# KiCad board thunderbolt-adapter.kicad_pcb
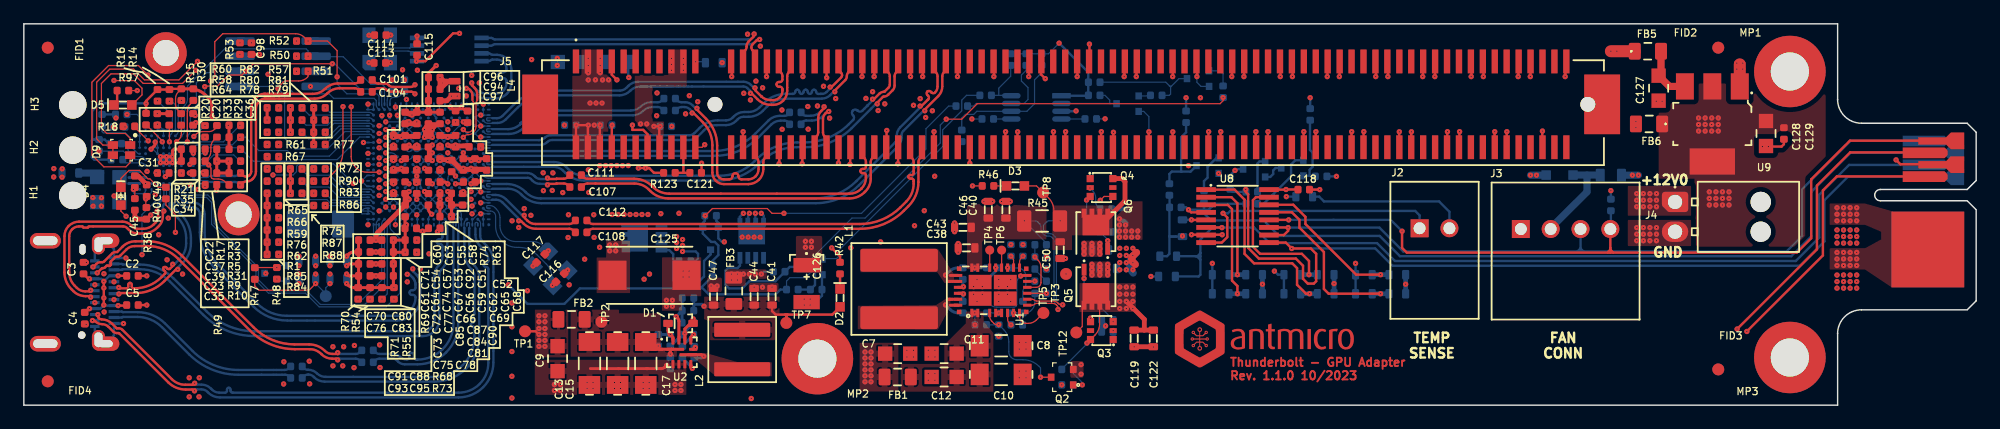
[diagram p0: board, top side]
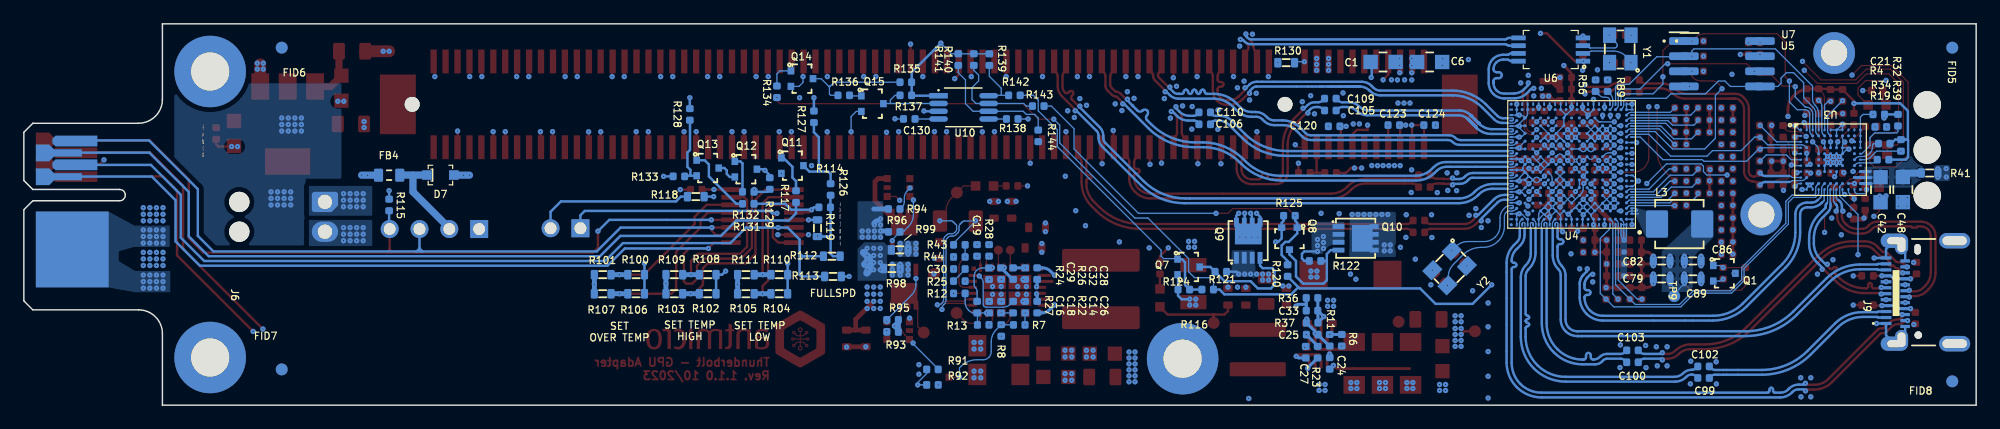
[diagram p1: board, bottom side, seen from below]

Outline 163.61 x 32 mm; copper layers: Top, In1.Cu, In2.Cu, In3.Cu, In4.Cu, Bottom. Coordinates in mm from the lower left corner of the outline.
Outline path: 152,25.66 152,32 0,32 0,0 152,0 152,6
Stack: Top 0.035mm / dielectric 0.12mm PR2116 er 4.12 / In1.Cu 0.018mm / dielectric 0.51mm FR4-Improved er 4.12 / In2.Cu 0.018mm / dielectric 0.14mm PR1080 er 4.12 / In3.Cu 0.018mm / dielectric 0.51mm FR4-Improved er 4.12 / In4.Cu 0.018mm / dielectric 0.12mm PR2116 er 4.12 / Bottom 0.035mm

## Placement (name value [footprint] x y rotation side)
C1  C_10u_0805_35V  [C_0805_2012Metric]  49.7 28.8 180 bottom
C2  C_100n_0402  [C_0402_1005Metric]  9.1 10.85 180 top
C3  C_100n_0402  [C_0402_1005Metric]  5 11.5 270 top
C4  C_100n_0402  [C_0402_1005Metric]  5.1 7.3 90 top
C5  C_100n_0402  [C_0402_1005Metric]  9.1 8.4 180 top
C6  C_10u_0805_35V  [C_0805_2012Metric]  45.8 28.8 0 bottom
C7  C_10u_0805_35V  [C_0805_2012Metric]  73.23 4.32 180 top
C8  C_22u_1206_35V  [C_1206_3216Metric]  81.9 4.99 180 top
C9  C_10u_0805_35V  [C_0805_2012Metric]  44.73 3.9 90 top
C10  C_22u_1206_35V  [C_1206_3216Metric]  81.9 2.58 180 top
C11  C_10u_0805_35V  [C_0805_2012Metric]  77.12 4.33 0 top
C12  C_10u_0805_35V  [C_0805_2012Metric]  77.12 2.37 0 top
C13  C_22u_1206_35V  [C_1206_3216Metric]  47.4 3.5 90 top
C14  C_100n_0402  [C_0402_1005Metric]  79.69 8.23 270 bottom
C15  C_22u_1206_35V  [C_1206_3216Metric]  49.76 3.5 90 top
C16  C_220n_0402  [C_0402_1005Metric]  82.71 8.23 270 bottom
C17  C_22u_1206_35V  [C_1206_3216Metric]  52.12 3.5 90 top
C18  C_1u_0402  [C_0402_1005Metric]  81.71 8.23 270 bottom
C19  C_22n_0402  [C_0402_1005Metric]  83.73 12.99 270 bottom
C20  C_4u7_25V_0402  [C_0402_1005Metric]  11.18 23.98 270 top
C21  C_4u7_25V_0402  [C_0402_1005Metric]  8.16 24.4 0 bottom
C22  C_1u_0402  [C_0402_1005Metric]  15.18 22.98 270 top
C23  C_10u_0402  [C_0402_1005Metric]  15.68 19.48 180 top
C24  C_100n_0402  [C_0402_1005Metric]  54.17 3.51 90 bottom
C25  C_1u_0402  [C_0402_1005Metric]  55.64 5.92 0 bottom
C26  C_100n_0402  [C_0402_1005Metric]  78.69 8.23 270 bottom
C27  C_220n_0402  [C_0402_1005Metric]  56.18 4.45 270 bottom
C28  C_100n_0402  [C_0402_1005Metric]  78.69 11.04 90 bottom
C29  C_100n_0402  [C_0402_1005Metric]  81.71 11.04 270 bottom
C30  C_4n7_0402  [C_0402_1005Metric]  85.21 11.43 0 bottom
C31  C_220n_0402  [C_0402_1005Metric]  11.68 19.48 0 top
C32  C_100n_0402  [C_0402_1005Metric]  79.69 11.04 90 bottom
C33  C_33p_0402  [C_0402_1005Metric]  55.65 7.93 0 bottom
C34  C_1u_0402  [C_0402_1005Metric]  13.68 19.48 180 top
C35  C_2u2_0402  [C_0402_1005Metric]  15.68 18.49 0 top
C36  C_2u2_0402  [C_0402_1005Metric]  14.18 23.98 90 top
C37  C_2u2_0402  [C_0402_1005Metric]  15.68 21.48 0 top
C38  C_22u_16V_0603  [C_0603_1608Metric]  79 13.2 0 top
C39  C_10u_0402  [C_0402_1005Metric]  15.68 20.48 0 top
C40  C_22u_16V_0603  [C_0603_1608Metric]  82.3 16.4 270 top
C41  C_22u_0603  [C_0603_1608Metric]  62.7 9.1 270 top
C42  C_22u_25V_0805  [C_0805_2012Metric]  8.01 18.08 90 bottom
C43  C_22u_16V_0603  [C_0603_1608Metric]  78.7 14.92 0 top
C44  C_22u_0603  [C_0603_1608Metric]  61.2 9.1 270 top
C45  C_220p_0402  [C_0402_1005Metric]  9.3 18.75 270 top
C46  C_22u_16V_0603  [C_0603_1608Metric]  80.82 16.4 270 top
C47  C_22u_0603  [C_0603_1608Metric]  57.8 9.1 270 top
C48  C_22u_25V_0805  [C_0805_2012Metric]  6.14 18.09 90 bottom
C49  C_220p_0402  [C_0402_1005Metric]  10.29 18 270 top
C50  C_22u_16V_0603  [C_0603_1608Metric]  86.85 13.01 90 top
C51  C_1u_0402  [C_0402_1005Metric]  36.18 22.15 270 top
C52  C_1u_0402  [C_0402_1005Metric]  37.8 21.68 180 top
C53  C_1u_0402  [C_0402_1005Metric]  33.9 22.15 90 top
C54  C_1u_0402  [C_0402_1005Metric]  31.95 22.15 270 top
C55  C_1u_0402  [C_0402_1005Metric]  33.9 24.1 270 top
C56  C_1u_0402  [C_0402_1005Metric]  34.88 20.2 90 top
C57  C_1u_0402  [C_0402_1005Metric]  32.93 22.15 270 top
C58  C_1u_0402  [C_0402_1005Metric]  34.88 24.1 270 top
C59  C_1u_0402  [C_0402_1005Metric]  35.85 20.08 90 top
C60  C_1u_0402  [C_0402_1005Metric]  31.95 24.1 270 top
C61  C_1u_0402  [C_0402_1005Metric]  30.98 20.2 270 top
C62  C_1u_0402  [C_0402_1005Metric]  36.83 20.2 270 top
C63  C_1u_0402  [C_0402_1005Metric]  32.93 24.1 270 top
C64  C_1u_0402  [C_0402_1005Metric]  31.95 20.2 270 top
C65  C_1u_0402  [C_0402_1005Metric]  37.8 20.2 270 top
C66  C_1u_0402  [C_0402_1005Metric]  34.4 18.73 0 top
C67  C_1u_0402  [C_0402_1005Metric]  33.9 20.2 270 top
C68  C_1u_0402  [C_0402_1005Metric]  38.78 20.2 270 top
C69  C_1u_0402  [C_0402_1005Metric]  37.33 18.73 180 top
C70  C_10u_0402  [C_0402_1005Metric]  28.53 11.85 0 top
C71  C_1u_0402  [C_0402_1005Metric]  30.98 22.15 270 top
C72  C_1u_0402  [C_0402_1005Metric]  31.95 18.25 270 top
C73  C_1u_0402  [C_0402_1005Metric]  31.95 16.3 90 top
C74  C_1u_0402  [C_0402_1005Metric]  32.93 20.2 270 top
C75  C_10u_0402  [C_0402_1005Metric]  32.42 14.84 0 top
C76  C_10u_0402  [C_0402_1005Metric]  28.53 10.85 0 top
C77  C_1u_0402  [C_0402_1005Metric]  32.93 18.25 90 top
C78  C_10u_0402  [C_0402_1005Metric]  34.39 14.84 180 top
C79  C_22u_0603  [C_0603_1608Metric]  26.35 10.6 180 bottom
C80  C_10u_0402  [C_0402_1005Metric]  30.48 11.85 180 top
C81  C_1u_0402  [C_0402_1005Metric]  35.35 15.83 180 top
C82  C_22u_0603  [C_0603_1608Metric]  26.35 12.1 180 bottom
C83  C_10u_0402  [C_0402_1005Metric]  30.48 10.85 180 top
C84  C_1u_0402  [C_0402_1005Metric]  35.35 16.8 180 top
C85  C_1u_0402  [C_0402_1005Metric]  33.9 17.28 90 top
C86  C_22u_0603  [C_0603_1608Metric]  23.75 12.1 0 bottom
C87  C_1u_0402  [C_0402_1005Metric]  35.35 17.78 180 top
C88  C_100n_0402  [C_0402_1005Metric]  30.48 13.85 180 top
C89  C_22u_0603  [C_0603_1608Metric]  23.75 10.6 0 bottom
C90  C_1u_0402  [C_0402_1005Metric]  36.78 17.28 90 top
C91  C_100n_0402  [C_0402_1005Metric]  28.53 13.85 0 top
C92  C_100n_0402  [C_0402_1005Metric]  34.88 22.15 270 top
C93  C_100n_0402  [C_0402_1005Metric]  28.53 12.85 0 top
C94  C_1u_0402  [C_0402_1005Metric]  34.39 26.52 0 top
C95  C_100n_0402  [C_0402_1005Metric]  30.48 12.85 180 top
C96  C_10u_0402  [C_0402_1005Metric]  34.39 27.5 0 top
C97  C_100n_0402  [C_0402_1005Metric]  34.39 25.54 0 top
C98  C_100n_0402  [C_0402_1005Metric]  19.07 29.92 90 top
C99  C_220n_0402  [C_0402_1005Metric]  22.84 2.28 0 bottom
C100  C_220n_0402  [C_0402_1005Metric]  28.8 4.6 0 bottom
C101  C_100n_0402  [C_0402_1005Metric]  28.71 27.29 0 top
C102  C_220n_0402  [C_0402_1005Metric]  22.84 3.25 0 bottom
C103  C_220n_0402  [C_0402_1005Metric]  28.8 3.6 0 bottom
C104  C_100n_0402  [C_0402_1005Metric]  28.71 26.29 0 top
C105  C_220n_0402  [C_0402_1005Metric]  54.12 24.73 0 bottom
C106  C_220n_0402  [C_0402_1005Metric]  64.65 23.57 0 bottom
C107  C_220n_0402  [C_0402_1005Metric]  46.24 18.3 0 top
C108  C_220n_0402  [C_0402_1005Metric]  46.7 14.5 0 top
C109  C_220n_0402  [C_0402_1005Metric]  54.12 25.73 0 bottom
C110  C_220n_0402  [C_0402_1005Metric]  64.65 24.57 0 bottom
C111  C_220n_0402  [C_0402_1005Metric]  46.24 19.3 0 top
C112  C_220n_0402  [C_0402_1005Metric]  46.7 15.5 0 top
C113  C_10p_0402  [C_0402_1005Metric]  29.83 28.72 180 top
C114  C_10p_0402  [C_0402_1005Metric]  29.87 31.05 0 top
C115  C_100n_0402  [C_0402_1005Metric]  32.95 29.84 270 top
C116  C_10p_0402  [C_0402_1005Metric]  44.94 10.69 45 top
C117  C_10p_0402  [C_0402_1005Metric]  43.31 12.32 225 top
C118  C_100n_0402  [C_0402_1005Metric]  107.26 18.09 180 top
C119  C_22u_16V_0603  [C_0603_1608Metric]  93.05 5.6 90 top
C120  C_100n_0402  [C_0402_1005Metric]  53.8 23.4 180 bottom
C121  C_100n_0402  [C_0402_1005Metric]  56.3 19.5 180 top
C122  C_22u_16V_0603  [C_0603_1608Metric]  94.65 5.6 90 top
C123  C_100n_0402  [C_0402_1005Metric]  48.8 23.5 180 bottom
C124  C_100n_0402  [C_0402_1005Metric]  45.8 23.5 0 bottom
C125  C_220u_KEMET_E  [KEMET_E]  52.43 10.9 0 top
C126  C_330u_KEMET_B  [KEMET_B]  65.6 10.2 270 top
C127  C_10u_0805_35V  [C_0805_2012Metric]  137 26.6 90 top
C128  C_10u_0805_35V  [C_0805_2012Metric]  146 22.8 90 top
C129  C_100n_0402  [C_0402_1005Metric]  147.5 22.8 90 top
C130  C_10n_0402  [C_0402_1005Metric]  89.41 24.02 180 bottom
D1  MM3Z3V3C  [D_SOD-323F]  55.03 6.86 0 top
D2  LED_G_0603_KP-1608CGCK  [LED_0603_1608Metric_G]  68.4 9 90 top
D3  LED_G_0603_KP-1608CGCK  [LED_0603_1608Metric_G]  83.1 18.4 180 top
D4  LED_G_0603_KP-1608CGCK  [LED_0603_1608Metric_G]  8.13 17.54 90 top
D5  LED_G_0603_KP-1608CGCK  [LED_0603_1608Metric_G]  8.3 25.19 180 top
D7  1N4148WS-7-F  [SOD-323]  128.7 19.31 180 bottom
D9  LED_RGB_0606_150066M153000  [LED_Dual0603]  8.19 21.4 270 top
FB1  BLM21SN300SZ1D  [FB_0805_2012Metric]  73.23 2.36 0 top
FB2  BLM21SN300SZ1D  [FB_0805_2012Metric]  45.9 7.2 0 top
FB3  BLM21SN300SZ1D  [FB_0805_2012Metric]  59.5 9.6 90 top
FB4  FB_120Z_3A_0603  [FB_0603_1608Metric]  133 19.3 0 bottom
FB5  BLM21SN300SZ1D  [FB_0805_2012Metric]  136.1 29.7 0 top
FB6  BLM21SN300SZ1D  [FB_0805_2012Metric]  136.2 23.6 180 top
FID1  antmicro_Fiducial_1mm_Mask3mm  [Fiducial_1mm_Mask3mm]  2 30 90 top
FID2  antmicro_Fiducial_1mm_Mask3mm  [Fiducial_1mm_Mask3mm]  142 30 180 top
FID3  antmicro_Fiducial_1mm_Mask3mm  [Fiducial_1mm_Mask3mm]  142 3 0 top
FID4  antmicro_Fiducial_1mm_Mask3mm  [Fiducial_1mm_Mask3mm]  2 2 180 top
FID5  antmicro_Fiducial_1mm_Mask3mm  [Fiducial_1mm_Mask3mm]  2 30 270 bottom
FID6  antmicro_Fiducial_1mm_Mask3mm  [Fiducial_1mm_Mask3mm]  142 30 180 bottom
FID7  antmicro_Fiducial_1mm_Mask3mm  [Fiducial_1mm_Mask3mm]  142 3 180 bottom
FID8  antmicro_Fiducial_1mm_Mask3mm  [Fiducial_1mm_Mask3mm]  2 2 180 bottom
G***  LOGO  [antmicro-logo_scaled_15mm]  104.41 5.48 0 top
H1  -  [Mech_Lightpipe_Mentor_1271.1001]  4.1 17.6 90 top
H2  -  [Mech_Lightpipe_Mentor_1271.1001]  4.1 21.4 90 top
H3  -  [Mech_Lightpipe_Mentor_1271.1001]  4.1 25.2 90 top
J2  -  [PinHeader_1x2_P2.5mm_Drill1mm_Horizontal_Shrouded]  116.97 14.84 0 top
J3  -  [PinHeader_1x4_P2.5mm_Drill1mm_Horizontal_Shrouded]  125.46 14.78 0 top
J4  -  [Conn_Molex_NanoFit_1053131202]  138.38 17.05 0 top
J5  PCIe_x16_10146070-113Y0LF-vertical  [AMPHENOL_10146070-113Y0LF]  87.77 24.74 0 top
J6  -  [Edge_Conn_1-2212115-4]  152 16 90 bottom
J9  USB-C_DX07S024JJ2  [USB-3.1-Gen2_Type-C_JAE_DX07S024JJ2_Horizontal]  3.73 9.48 90 bottom
L1  L_6u8_12.8A_Coilcraft-XAL7070  [L_Coilcraft-XAL7070]  73.35 9.75 90 top
L2  L_2u2_9.7A_Coilcraft-XAL5030  [L_Coilcraft-XAL5030]  60.2 4.67 90 top
L3  L_680n_7.6A_IHLP1616BZ  [L_Vishay-IHLP1616BZ]  24.85 15.2 180 bottom
L4  L_1u_1.8A_0603  [L_0603_1608Metric]  36.09 26.56 270 top
MP1  PCB_Mount_Hole_3mm_6mm_pad  [mounting-hole-3.2mm]  148 28 0 top
MP2  PCB_Mount_Hole_3mm_6mm_pad  [mounting-hole-3.2mm]  66.5 3.9 0 top
MP3  PCB_Mount_Hole_3mm_6mm_pad  [mounting-hole-3.2mm]  148 4 0 top
MP4  PCB_Mount_Hole_2.2_3.5  [mounting-hole-2.2mm_pad_3.5mm]  18 16 0 top
MP5  PCB_Mount_Hole_2.2_3.5  [mounting-hole-2.2mm_pad_3.5mm#2]  11.15 29 0 top
Q1  BC817-25W  [SOT-323]  21.1 11.06 180 bottom
Q2  BC817-25W  [SOT-323]  87.02 2.35 180 top
Q3  DZDH0401DW  [SOT-363]  90.34 6.26 180 top
Q4  DZDH0401DW  [SOT-363]  90.31 18.26 0 top
Q5  SI7613DN-T1-GE3  [Vishay_PowerPAK_1212-8_Single]  89.84 9.94 270 top
Q6  SI7613DN-T1-GE3  [Vishay_PowerPAK_1212-8_Single]  89.84 14.56 90 top
Q7  BC817-25W  [SOT-323]  66 11.6 180 bottom
Q8  BC817-25W  [SOT-323]  57.55 13.97 270 bottom
Q9  SI7613DN-T1-GE3  [Vishay_PowerPAK_1212-8_Single]  61 13.8 90 bottom
Q10  SI7613DN-T1-GE3  [Vishay_PowerPAK_1212-8_Single]  52 14 180 bottom
Q11  BC817-25W  [SOT-323]  99.2 20.1 180 bottom
Q12  BC817-25W  [SOT-323]  103.1 19.8 180 bottom
Q13  BC817-25W  [SOT-323]  106.3 19.9 180 bottom
Q14  BC817-25W  [SOT-323]  98.4 27.4 180 bottom
Q15  BC817-25W  [SOT-323]  92.5 25.3 180 bottom
R1  R_3k3_0402  [R_0402_1005Metric]  20.87 14.7 0 top
R2  R_10k_0402  [R_0402_1005Metric]  17.68 23.48 180 top
R3  R_2k2_0402  [R_0402_1005Metric]  17.68 22.48 180 top
R4  R_100k_0402  [R_0402_1005Metric]  7.99 23.35 0 bottom
R5  R_2k2_0402  [R_0402_1005Metric]  17.68 21.48 180 top
R6  R_10k_0402  [R_0402_1005Metric]  53.16 5.45 270 bottom
R7  R_24k_0402  [R_0402_1005Metric]  80.19 6.74 180 bottom
R8  R_10k_0402  [R_0402_1005Metric]  81.7 6.27 90 bottom
R9  R_100k_0402  [R_0402_1005Metric]  17.68 19.48 0 top
R10  R_100k_0402  [R_0402_1005Metric]  17.68 18.48 0 top
R11  R_10k_0402  [R_0402_1005Metric]  54.17 5.45 90 bottom
R12  R_0R_0402  [R_0402_1005Metric]  85.21 9.38 0 bottom
R13  R_0R_0402  [R_0402_1005Metric]  83.21 6.74 180 bottom
R14  R_3k3_0402  [R_0402_1005Metric]  12.2 26 270 top
R15  R_3k3_0402  [R_0402_1005Metric]  13.2 26.06 270 top
R16  R_10k_0402  [R_0402_1005Metric]  11.2 26 270 top
R17  R_10k_0402  [R_0402_1005Metric]  16.18 22.98 90 top
R18  R_0R_0402  [R_0402_1005Metric]  8.8 23.4 0 top
R19  R_10k_0402  [R_0402_1005Metric]  7.8 20.6 0 bottom
R20  R_10k_0402  [R_0402_1005Metric]  10.24 24 270 top
R21  R_1M_0402  [R_0402_1005Metric]  13.68 21.48 0 top
R22  R_100k_0402  [R_0402_1005Metric]  80.7 8.23 270 bottom
R23  R_100k_0402  [R_0402_1005Metric]  55.18 4.45 90 bottom
R24  R_100k_0402  [R_0402_1005Metric]  82.72 11.03 90 bottom
R25  R_12k_0402  [R_0402_1005Metric]  85.21 10.41 0 bottom
R26  R_0R_0402  [R_0402_1005Metric]  80.7 11.04 90 bottom
R27  R_0R_0402  [R_0402_1005Metric]  83.72 8.23 270 bottom
R28  R_124k_0402  [R_0402_1005Metric]  82.72 12.99 90 bottom
R29  R_100k_0402  [R_0402_1005Metric]  13.18 23.98 90 top
R30  R_100k_0402  [R_0402_1005Metric]  14.2 26.06 90 top
R31  R_0R_0402  [R_0402_1005Metric]  17.68 20.48 180 top
R32  R_10k_0402  [R_0402_1005Metric]  6.55 23.92 90 bottom
R33  R_100k_0402  [R_0402_1005Metric]  12.18 23.98 90 top
R34  R_100k_0402  [R_0402_1005Metric]  7.7 21.95 180 bottom
R35  R_15k_0.1%_0402  [R_0402_1005Metric]  13.68 20.48 180 top
R36  R_40k2_0402  [R_0402_1005Metric]  55.65 9 0 bottom
R37  R_8k87_0402  [R_0402_1005Metric]  55.64 6.92 180 bottom
R38  R_5k1_0402  [R_0402_1005Metric]  9.3 16.85 90 top
R39  R_10k_0402  [R_0402_1005Metric]  6.3 21.8 90 bottom
R40  R_5k1_0402  [R_0402_1005Metric]  10.27 16.1 90 top
R41  R_0R_0603  [R_0603_1608Metric]  3.9 19.48 180 bottom
R42  R_330R_0402  [R_0402_1005Metric]  68.4 11.5 270 top
R43  R_110k_0402  [R_0402_1005Metric]  85.21 13.46 0 bottom
R44  R_10k_0402  [R_0402_1005Metric]  85.21 12.44 180 bottom
R45  R_0R02_1206  [R_1206_3216Metric]  85.34 15.45 0 top
R46  R_2k2_0402  [R_0402_1005Metric]  80.8 18.4 0 top
R47  R_1k_0402  [R_0402_1005Metric]  19.35 11.05 90 top
R48  R_100k_0402  [R_0402_1005Metric]  21.2 11.06 90 top
R49  R_330R_0402  [R_0402_1005Metric]  11.9 17.8 90 top
R50  R_3k3_0402  [R_0402_1005Metric]  23.34 29.28 180 top
R51  R_3k3_0402  [R_0402_1005Metric]  23.34 28.02 180 top
R52  R_3k3_0402  [R_0402_1005Metric]  23.34 30.56 180 top
R53  R_3k3_0402  [R_0402_1005Metric]  18.11 29.92 270 top
R54  R_1M_0402  [R_0402_1005Metric]  29.01 9.38 270 top
R55  R_1M_0402  [R_0402_1005Metric]  31.01 9.38 270 top
R56  R_10k_0402  [R_0402_1005Metric]  31.89 26.81 270 bottom
R57  R_100k_0402  [R_0402_1005Metric]  24.77 24.95 0 top
R58  R_2k2_0402  [R_0402_1005Metric]  20.87 23.93 0 top
R59  R_2k2_0402  [R_0402_1005Metric]  20.87 17.78 0 top
R60  R_100k_0402  [R_0402_1005Metric]  20.87 24.95 0 top
R61  R_2k2_0402  [R_0402_1005Metric]  20.87 21.88 0 top
R62  R_2k2_0402  [R_0402_1005Metric]  20.87 15.73 0 top
R63  R_14k_0402  [R_0402_1005Metric]  37.18 24.2 270 top
R64  R_10k_0402  [R_0402_1005Metric]  20.87 22.9 0 top
R65  R_10k_0402  [R_0402_1005Metric]  20.87 19.83 0 top
R66  R_10k_0402  [R_0402_1005Metric]  20.87 18.8 0 top
R67  R_10k_0402  [R_0402_1005Metric]  20.87 20.85 0 top
R68  R_499R_0402  [R_0402_1005Metric]  32.44 13.85 0 top
R69  R_4k75_0.5%_0402  [R_0402_1005Metric]  30.98 18.25 270 top
R70  R_1M_0402  [R_0402_1005Metric]  28.01 9.38 90 top
R71  R_1M_0402  [R_0402_1005Metric]  30.01 9.38 90 top
R72  R_100k_0402  [R_0402_1005Metric]  24.77 19.83 180 top
R73  R_499R_0402  [R_0402_1005Metric]  32.44 12.83 180 top
R74  R_3k01_0402  [R_0402_1005Metric]  36.18 24.21 90 top
R75  R_100k_0402  [R_0402_1005Metric]  22.82 19.83 180 top
R76  R_14k_0402  [R_0402_1005Metric]  20.87 16.75 180 top
R77  R_100k_0402  [R_0402_1005Metric]  24.77 21.88 180 top
R78  R_10k_0402  [R_0402_1005Metric]  22.82 22.9 180 top
R79  R_10k_0402  [R_0402_1005Metric]  24.77 22.9 180 top
R80  R_10k_0402  [R_0402_1005Metric]  22.82 23.93 180 top
R81  R_100k_0402  [R_0402_1005Metric]  24.77 23.93 180 top
R82  R_1M_0402  [R_0402_1005Metric]  22.82 24.95 180 top
R83  R_10k_0402  [R_0402_1005Metric]  24.77 17.78 180 top
R84  R_100k_0402  [R_0402_1005Metric]  20.87 12.65 180 top
R85  R_10k_0402  [R_0402_1005Metric]  20.87 13.68 180 top
R86  R_100k_0402  [R_0402_1005Metric]  24.77 16.75 180 top
R87  R_100k_0402  [R_0402_1005Metric]  22.82 18.8 180 top
R88  R_100R_0402  [R_0402_1005Metric]  22.82 17.78 180 top
R89  R_100R_0402  [R_0402_1005Metric]  30.88 26.81 90 bottom
R90  R_100k_0402  [R_0402_1005Metric]  24.77 18.8 180 top
R91  R_10k_0402  [R_0402_1005Metric]  87.47 3 0 bottom
R92  R_100k_0402  [R_0402_1005Metric]  87.47 1.7 0 bottom
R93  R_10k_0402  [R_0402_1005Metric]  90.81 6.14 0 bottom
R94  R_10k_0402  [R_0402_1005Metric]  90.67 16.46 180 bottom
R95  R_100k_0402  [R_0402_1005Metric]  90.81 7.16 0 bottom
R96  R_100k_0402  [R_0402_1005Metric]  90.67 14.54 180 bottom
R97  R_2k2_0402  [R_0402_1005Metric]  8.3 26.4 180 top
R98  R_0R_22.4A_0603  [R_0603_1608Metric]  90.87 11.47 180 bottom
R99  R_0R_22.4A_0603  [R_0603_1608Metric]  90.21 13.03 180 bottom
R100  R_0R_0603  [R_0603_1608Metric]  112.3 10.95 180 bottom
R101  R_0R_0603  [R_0603_1608Metric]  115.1 10.95 180 bottom
R102  R_0R_0603  [R_0603_1608Metric]  106.3 9.35 180 bottom
R103  R_0R_0603  [R_0603_1608Metric]  109.1 9.35 180 bottom
R104  R_0R_0603  [R_0603_1608Metric]  100.3 9.35 180 bottom
R105  R_0R_0603  [R_0603_1608Metric]  103.1 9.35 180 bottom
R106  R_0R_0603  [R_0603_1608Metric]  112.3 9.35 180 bottom
R107  R_0R_0603  [R_0603_1608Metric]  115.1 9.35 180 bottom
R108  R_0R_0603  [R_0603_1608Metric]  106.3 10.95 180 bottom
R109  R_0R_0603  [R_0603_1608Metric]  109.1 10.95 180 bottom
R110  R_0R_0603  [R_0603_1608Metric]  100.3 10.95 180 bottom
R111  R_0R_0603  [R_0603_1608Metric]  103.1 10.95 180 bottom
R112  R_0R_0603  [R_0603_1608Metric]  95.9 12.5 180 bottom
R113  R_0R_0603  [R_0603_1608Metric]  95.8 10.8 0 bottom
R114  R_10k_0402  [R_0402_1005Metric]  96.5 16.6 180 bottom
R115  R_10k_0402  [R_0402_1005Metric]  133 16.8 270 bottom
R116  R_1k_0402  [R_0402_1005Metric]  64.4 9.7 0 bottom
R117  R_1k_0402  [R_0402_1005Metric]  98.9 17.5 90 bottom
R118  R_0R_0603  [R_0603_1608Metric]  107.3 17.5 0 bottom
R119  R_0R_0603  [R_0603_1608Metric]  97.1 14.85 270 bottom
R120  R_1k_0402  [R_0402_1005Metric]  57.7 11.3 90 bottom
R121  R_100k_0402  [R_0402_1005Metric]  63.3 11.2 180 bottom
R122  R_100k_0402  [R_0402_1005Metric]  55.4 12.1 0 bottom
R123  R_0R_0402  [R_0402_1005Metric]  54.1 19.5 0 top
R124  R_100k_0402  [R_0402_1005Metric]  66.4 9.7 180 bottom
R125  R_100k_0402  [R_0402_1005Metric]  57.55 15.9 180 bottom
R126  R_330R_0402  [R_0402_1005Metric]  96 18.1 270 bottom
R127  R_68R_0402  [R_0402_1005Metric]  97.4 24.2 90 bottom
R128  R_68R_0402  [R_0402_1005Metric]  107.8 24.4 90 bottom
R129  R_10k_0402  [R_0402_1005Metric]  101.1 18.6 90 bottom
R130  R_0R_0603  [R_0603_1608Metric]  57.82 28.74 180 bottom
R131  R_1k_0402  [R_0402_1005Metric]  102.9 16.9 0 bottom
R132  R_1k_0402  [R_0402_1005Metric]  102.9 17.9 0 bottom
R133  R_330R_0402  [R_0402_1005Metric]  108.72 19.2 180 bottom
R134  R_1k_0402  [R_0402_1005Metric]  100.5 26.3 90 bottom
R135  R_100k_0402  [R_0402_1005Metric]  89.7 27.1 180 bottom
R136  R_1k_0402  [R_0402_1005Metric]  94.9 26 180 bottom
R137  R_100k_0402  [R_0402_1005Metric]  89.7 26 180 bottom
R138  R_0R_0402  [R_0402_1005Metric]  80.78 24.02 0 bottom
R139  R_100k_0402  [R_0402_1005Metric]  82.7 29 90 bottom
R140  R_100k_0402  [R_0402_1005Metric]  84 29 90 bottom
R141  R_100k_0402  [R_0402_1005Metric]  85.3 29 90 bottom
R142  R_1k_0402  [R_0402_1005Metric]  80.6 26 180 bottom
R143  R_1k_0402  [R_0402_1005Metric]  78.6 25.1 180 bottom
R144  R_1k_0402  [R_0402_1005Metric]  78.6 22.6 270 bottom
TP1  TP_1mm_SMD  [Testpoint_smd_1mm]  42 6.2 180 top
TP2  TP_1mm_SMD  [Testpoint_smd_1mm]  48.4 7 90 top
TP3  TP_1mm_SMD  [Testpoint_smd_1mm]  87.34 11.01 90 top
TP4  TP_0.75mm_SMD  [TP_SMD_0.75mm]  80.94 13.01 90 top
TP5  TP_1mm_SMD  [Testpoint_smd_1mm]  85.44 7.74 90 top
TP6  TP_0.75mm_SMD  [TP_SMD_0.75mm]  81.94 13.01 90 top
TP7  TP_1mm_SMD  [Testpoint_smd_1mm]  63.9 6.9 0 top
TP8  TP_1mm_SMD  [Testpoint_smd_1mm]  85.42 17.84 90 top
TP9  TP_1mm_SMD  [Testpoint_smd_1mm]  25.3 9.15 90 bottom
TP10  Net-Tie_2  [NetTie-2_SMD_Pad0.127mm]  85.04 15.3 135 bottom
TP11  Net-Tie_2  [NetTie-2_SMD_Pad0.127mm]  85.64 15.3 45 bottom
TP12  TP_1mm_SMD  [Testpoint_smd_1mm]  88.2 6.1 90 top
U1  LT8350RV#PBF  [QFN-32-4EP_4x6mm_P0.5mm]  81.19 9.64 90 top
U2  MP2386GG  [QFN-11_2x2mm_P0.5mm]  55.15 4.44 0 top
U3  TPS65983BAZBHR  [IC_TPS65983BAZBHR]  12.2 20.6 180 bottom
U4  -  [JHL6340SLLSQ]  33.9 20.2 0 bottom
U5  MX25L8006EM1I-12G  [SOIC-8_3.9x4.9x1.75mm_P1.27mm]  21.3 28.65 180 bottom
U6  SI52112-B6-GT  [TSSOP-8_3x4.4mm_P0.65mm]  35.65 29.84 0 bottom
U7  MX25L8006EM2I-12G  [SOIC-8_5.3x5.3x2mm_P1.27mm]  21.3 28.65 180 bottom
U8  MAX6643_QSOP  [QSOP-16_3x4.75x0.75mm_P0.5mm]  101.71 15.86 0 top
U9  LM1117MP-3.3_NOPB  [SOT-223]  141.5 23.6 180 top
U10  LM3881MME_NOPB  [VSSOP-8_3x3mm_P0.65mm]  84.86 24.99 180 bottom
Y1  ABM8G-25.000MHZ-B4Y-T  [Oscillator_SMD_Geyer_KX-7-4Pin_3.2x2.5mm]  29.87 29.84 90 bottom
Y2  ABM8G-25.000MHZ-B4Y-T  [Oscillator_SMD_Geyer_KX-7-4Pin_3.2x2.5mm]  44.05 11.51 315 bottom
